# Altium PCB RYA_KiteUp.PcbDoc (part 2 of 3)
Units mil, origin at the board's own origin, x right, y up, seen from the top; angles counter-clockwise.
Board outline 3989.4 x 6289.4 mil, 2 copper layers (Top Layer, Bottom Layer); 144 components, 104 nets, 490 pads, 1685 vias.
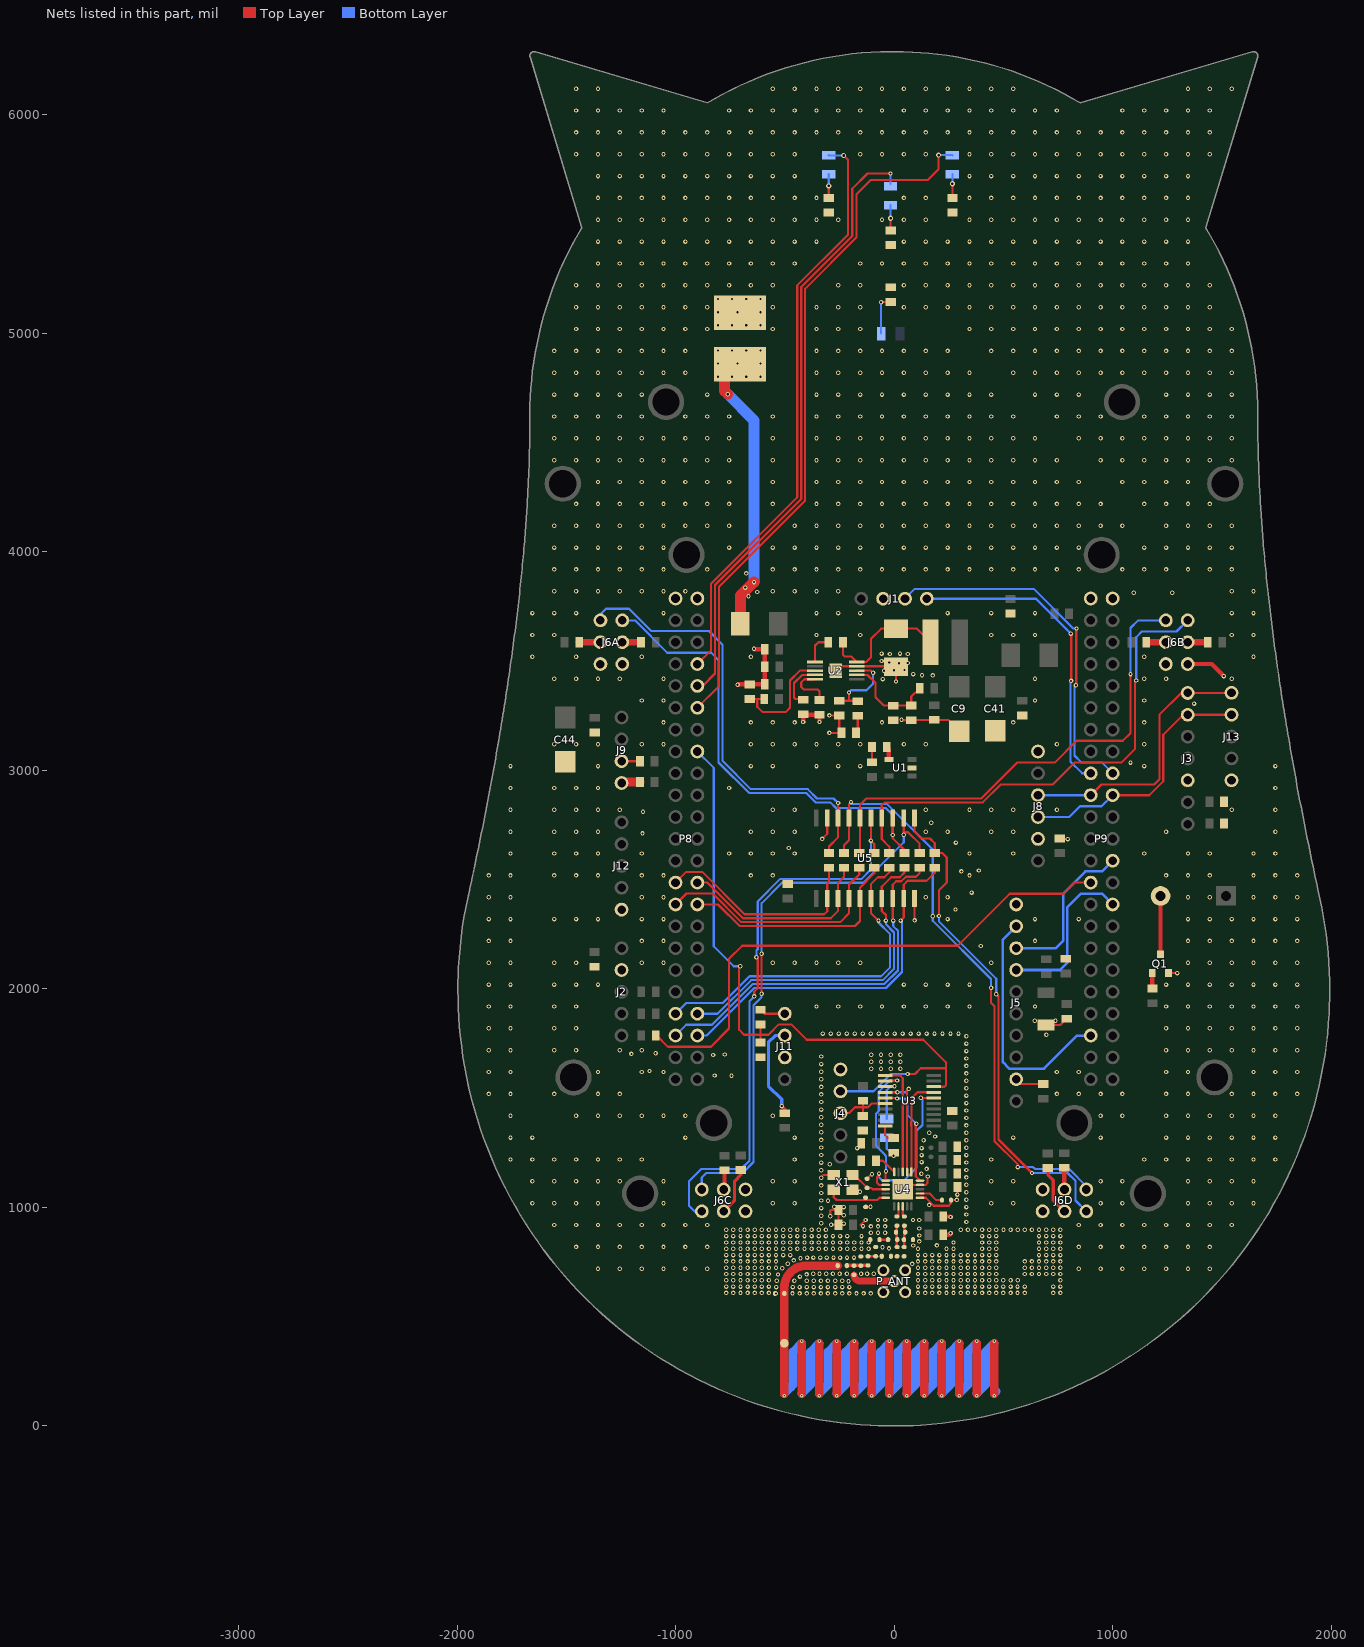
[diagram p2: the nets of this part, all layers, seen from the top]

## Via types
v1: diameter 20, hole 10, Top Layer to Bottom Layer, tented both sides, 1654 vias
v2: diameter 16, hole 8, Top Layer to Bottom Layer, tented both sides, 26 vias
v3: diameter 23.62, hole 11.81, Top Layer to Bottom Layer, tented both sides, 5 vias

## Nets (pads, with @x,y where several pads share a name; then routed paths per layer and width w, separated by ;. In a path a pad name is that pad's centre, name@x,y a point inside that pad or via, vN(x,y) a via of type N, cw(c..) or ccw(c..) an arc to the next point about the centre after c; other vN are vias at no path point) (continued)
CS: U3.6 U4.7 | length 700.1
  Top Layer w10: v1(-69,1154) -69,1145 -78,1136 -78,1112 -68.63,1102.63 U4.7@-38.84,1102.63 ; v1(122,1501) 130,1501 130.22,1500.78 U3.6@181.1,1500.78
  Bottom Layer w10: v1(-69,1154) -69,1138 -54.94,1123.94 45.94,1123.94 103,1181 103,1197.32 102.9,1197.42 102.9,1216.47 103,1216.57 103,1261.32 102.9,1261.42 102.9,1280.47 103,1280.57 103,1350 130,1377 130,1493 v1(122,1501)
FB: C42.2 R13.2 R18.1 U2.7 | length 442
  Top Layer w10: U2.7@-170.62,3436.26 -121.41,3436.26 -85,3399.85 -85,3334 -46.94,3295.94 R18.1@78.9,3295.94 78.9,3337.87 R13.2@116.98,3375.94
GDO0: U3.12 U4.6 | length 593.2
  Top Layer w10: U3.12@-40.9,1577.55 13.45,1577.55 v1@14,1577 ; U4.6@-38.84,1122.31 -38.84,1163.16 v1(-37,1165)
  Bottom Layer w10: v1(-37,1165) -37,1234 -40,1237 -39,1238 -83,1282 -83,1428 -70,1441 -70,1529.44 -19.44,1580 v1(14,1580)
GDO2: U3.11 U4.3 | length 515.2
  Top Layer w10: U3.11@-40.9,1603.14 27.86,1603.14 39.9,1591.1 U4.3@39.9,1161.68
GND: C1.1 C2.1 C3.1 C4.1 C5.2 C6.2 C7.1 C9.2 C10.1 C11.1 C12.1 C13.1 C14.1 C15.1 C16.1 C17.1 C18.1 C19.2 C20.2 C21.1 C22.1 C23.1 C24.1 C27.1 C28.1 C29.2 C30.1 C31.1 C32.1 C33.1 C34.1 C35.1 C37.1 C38.1 C40.1 C41.2 C42.1 C43.1 C44.2 CF1.1 CF45.1 D1.1 D2.1 J1.3 J2.4 J3.5 J4.5 J5.2 J5.10 J6A.5 J6A.6 J6B.5 J6B.6 J6C.5 J6C.6 J6D.5 J6D.6 J8.2 J8.6 J10.2 J11.2 J12.5 J13.5 L7.2 P8.1 P8.2 P9.1 P9.2 P_ANT.2 P_ANT.3 P_ANT.4 P_ANT.5 Q1.2 R4.1 R5.1 R7.1 R11.2 R16.2 R17.2 R18.2 R19.2 R30.1 R31.1 R51.1 U1.2 U2.9 U2.11 U3.20 U4.16 U4.19 U4.21 U5.10 U5.19 X1.2 X1.4 | length 2984
  Top Layer w10: v1(-329,2686) -306,2709 U5.19@-306,2782.5 ; -324.17,1147.87 X1.4@-276.1,1147.87 ; v1(-296.1,3170.94) C18.1@-241.1,3170.94 -251.1,3180.94 C16.1@-251.1,3250.94 v1(-296.1,3250.94) ; v1(-292.1,958.94) -292.1,983.94 -288.06,987.98 C31.1@-254.43,987.98 C32.1@-254.43,919.91 v1(-288.1,919.94) ; U2.11@-266.1,3455.94 -246.41,3475.63 U2.9@-170.62,3475.63 7.21,3475.63 D2.1@8.9,3473.94 v1(8.9,3405.94) ; X1.2@-189.48,1080.94 -166.1,1080.94 v1(-156.1,1070.94) ; -152.1,919.94 v1(-130.1,941.94) ; C37.1@-130.1,1001.94 -109.1,1001.94 v1(-108.1,1002.94) ; C38.1@-123.1,1130.94 -103.1,1150.94 v1(-101.1,1150.94) ; C11.1@-104.96,3102 C11.1@-100.9,3106.06 C12.1@-100.9,3036.06 ; v1@-54.1,817.94 v1(-53.1,816.94) ; U3.20@-40.9,1372.83 -40.9,1329.9 -28,1317 R31.1@-2,1317 ; v1(33.9,3230.94) 35.83,3229.02 R18.2@78.9,3229.02 80.48,3230.59 CF1.1@183.9,3230.59 247.88,3230.59 C9.2@298.9,3179.57 ; U4.21@39.9,1082.94 59.59,1102.63 U4.19@118.64,1102.63 144.59,1102.63 152.9,1110.94 152.9,1139.94 v1(153.9,1140.94) ; v1(94,2313) U5.10@94,2413.5 ; U4.16@118.64,1043.57 145.27,1043.57 181.9,1006.94 249.9,1006.94 260.9,1017.94 R30.1@260.9,1032.94 285.9,1032.94 v1(286.9,1033.94) ; v1(187.9,1323.94) v1@188.97,1325.01 ; v1(289.9,1057.94) C35.1@289.9,1092.94 ; J5.2@559,1586 581.07,1563.93 C5.2@682,1563.93 ; D1.1@691.79,1831.02 D1.1@694.9,1834.13 761.09,1834.13 C7.1@789.9,1862.94 ; C6.2@757.9,2687.87 760.78,2685 v1(795,2685) ; Q1.2@1256.4,2071.69 v1(1295.69,2071.69)
  Top Layer w20: v1(-716.1,3390.94) -714.17,3392.87 R16.2@-661.1,3392.87 -592.57,3392.87 C13.1@-592.29,3393.15 C14.1@-592.29,3473.19 C15.1@-592.29,3553.23 -638.38,3553.23 v1(-641.1,3555.94) ; v1(-416.1,3220.94) C17.1@-416.1,3255.94 -414.52,3254.37 R17.2@-341.1,3254.37 v1(-341.1,3220.94) ; C34.1@224.9,874.91 252.87,874.91 v1(258.9,880.94) ; C33.1@224.9,957.98 256.86,957.98 v1(258.9,955.94) ; J6B.6@1343.73,3485.93 1453.92,3485.93 v1(1508.9,3430.94)
  other v1: -540.1,605.83 -465,606 -432.43,606 -399.86,606 -367.29,606 -334.71,606 -302.8,606 -269.57,606 -237,606 -204.43,606 -171.86,606 -139.28,606 -106.71,606 -768.1,608.18 -735.52,608.18 -702.95,608.18 -670.38,608.18 -637.81,608.18 -605.9,608.18 -572.67,608.18 109.71,608.18 142.28,608.18 174.85,608.18 207.43,608.18 240,608.18 271.91,608.18 305.14,608.18 337.71,608.18 370.28,608.18 402.85,608.18 435.43,608.18 468,608.18 499.91,608.18 533.14,608.18 565.05,608.18 598.28,608.18 728.57,608.18 761.14,608.18 -539.1,634.71 -464,634.71 -432.43,634.88 -399.86,634.88 -367.29,634.88 -334.71,634.88 -302.8,634.88 -269.57,634.88 -237,634.88 -204.43,634.88 -768.1,637.06 -735.52,637.06 -702.95,637.06 -670.38,637.06 -637.81,637.06 -605.9,637.06 -572.67,637.06 109.71,637.06 142.28,637.06 174.85,637.06 207.43,637.06 240,637.06 271.91,637.06 305.14,637.06 337.71,637.06 370.28,637.06 402.85,637.06 435.43,637.06 468,637.06 499.91,637.06 533.14,637.06 565.05,637.06 598.28,637.06 728.57,637.06 761.14,637.06 -208.43,661.76 -537.1,663.59 -456,663.59 -399.86,663.76 -367.29,663.76 -334.71,663.76 -302.8,663.76 -269.57,663.76 -237,663.76 -768.1,665.94 -735.52,665.94 -702.95,665.94 -670.38,665.94 -637.81,665.94 -605.9,665.94 -572.67,665.94 109.71,665.94 142.28,665.94 174.85,665.94 207.43,665.94 240,665.94 271.91,665.94 305.14,665.94 337.71,665.94 370.28,665.94 402.85,665.94 435.43,665.94 468,665.94 499.91,665.94 533.14,665.94 566.37,665.94 761.14,665.94 -431,683 -531.1,692.47 -400,693 -768.1,694.83 -735.52,694.83 -702.95,694.83 -670.38,694.83 -637.81,694.83 -605.9,694.83 -572.67,694.83 109.71,694.83 142.28,694.83 174.85,694.83 207.43,694.83 240,694.83 271.91,694.83 305.14,694.83 337.71,694.83 370.28,694.83 402.85,694.83 435.43,694.83 468,694.83 597.63,694.83 630.85,694.83 663.42,694.83 696,694.83 728.57,694.83 761.14,694.83 -370,696 -341,696 -310,696 -280,696 -249,696 -216,696 -150.86,696 -123.28,696 -92.71,696 -1355,719 -1255,719 -1155,719 -1055,719 -955,719 -855,719 845,719 945,719 1045,719 1145,719 1245,719 1345,719 1445,719 -512.1,720.94 -768.1,723.71 -735.52,723.71 -702.95,723.71 -670.38,723.71 -637.81,723.71 -605.9,723.71 -572.67,723.71 -540.1,723.71 109.71,723.71 142.28,723.71 174.85,723.71 207.43,723.71 240,723.71 271.91,723.71 305.14,723.71 337.71,723.71 370.28,723.71 402.85,723.71 435.43,723.71 468,723.71 597.63,723.71 630.85,723.71 663.42,723.71 696,723.71 728.57,723.71 761.14,723.71 82.9,740.94 -486.1,741.94 -768.1,752.59 -735.52,752.59 -702.95,752.59 -670.38,752.59 -637.81,752.59 -605.9,752.59 -572.67,752.59 -540.1,752.59 109.71,752.59 142.28,752.59 174.85,752.59 207.43,752.59 240,752.59 271.91,752.59 305.14,752.59 337.71,752.59 370.28,752.59 402.85,752.59 435.43,752.59 468,752.59 597.63,752.59 630.85,752.59 663.42,752.59 696,752.59 728.57,752.59 761.14,752.59 -459.1,756.94 -428.1,766.94 -398.1,769.94 -369.1,769.94 -338.1,769.94 -308.1,769.94 -277.1,769.94 -247.1,769.94 -215.1,769.94 -183.1,769.94 -768.1,781.47 -735.52,781.47 -702.95,781.47 -670.38,781.47 -637.81,781.47 -605.9,781.47 -572.67,781.47 -540.1,781.47 -507.53,781.47 -474.95,781.47 109.71,781.47 142.28,781.47 174.85,781.47 207.43,781.47 240,781.47 271.91,781.47 305.14,781.47 337.71,781.47 370.28,781.47 402.85,781.47 435.43,781.47 468,781.47 663.42,781.47 696,781.47 728.57,781.47 761.14,781.47 -768.1,810.35 -735.52,810.35 -702.95,810.35 -670.38,810.35 -637.81,810.35 -605.9,810.35 -572.67,810.35 -540.1,810.35 -507.53,810.35 -474.95,810.35 -442.38,810.35 -409.81,810.35 -377.24,810.35 -344.67,810.35 -312.1,810.35 -279.53,810.35 -246.95,810.35 -214.38,810.35 -181.81,810.35 -149.24,810.35 -116.67,810.35 109.71,810.35 240,810.35 271.91,810.35 402.85,810.35 435.43,810.35 468,810.35 663.42,810.35 696,810.35 728.57,810.35 761.14,810.35 -23.1,811.94 -1455,819 -1355,819 -1255,819 -1155,819 -1055,819 -955,819 -855,819 845,819 945,819 1045,819 1145,819 1245,819 1345,819 1445,819 88,825 195.9,825.94 -768.1,839.24 -735.52,839.24 -702.95,839.24 -670.38,839.24 -637.81,839.24 -605.9,839.24 -572.67,839.24 -540.1,839.24 -507.53,839.24 -474.95,839.24 -442.38,839.24 -409.81,839.24 -377.24,839.24 -344.67,839.24 -312.1,839.24 -279.53,839.24 -246.95,839.24 -214.38,839.24 -181.81,839.24 -149.24,839.24 -116.67,839.24 271.91,839.24 402.85,839.24 435.43,839.24 468,839.24 663.42,839.24 696,839.24 728.57,839.24 761.14,839.24 114.9,843.94 -768.1,868.12 -735.52,868.12 -702.95,868.12 -670.38,868.12 -637.81,868.12 -605.9,868.12 -572.67,868.12 -540.1,868.12 -507.53,868.12 -474.95,868.12 -442.38,868.12 -409.81,868.12 -377.24,868.12 -344.67,868.12 -312.1,868.12 -279.53,868.12 -246.95,868.12 -214.38,868.12 -149.24,868.12 402.85,868.12 435.43,868.12 468,868.12 663.42,868.12 696,868.12 728.57,868.12 761.14,868.12 115.9,870.94 -106,884 -73.43,884 -40.86,884 -768.1,897 -735.52,897 -702.95,897 -670.38,897 -637.81,897 -605.24,897 -572.67,897 -540.1,897 -507.53,897 -474.95,897 -442.38,897 -409.81,897 -377.24,897 -344.67,897 -312.1,897 305.14,897 337.71,897 370.28,897 402.85,897 435.43,897 468,897 500.57,897 533.14,897 565.71,897 597.63,897 630.85,897 663.42,897 696,897 728.57,897 761.14,897 114.9,902.94 -106,912.88 -73.43,912.88 -40.86,912.88 -142.1,913.94 -1555,919 -1455,919 -1355,919 -1255,919 -1155,919 -1055,919 -955,919 -855,919 845,919 945,919 1045,919 1145,919 1245,919 1345,919 1445,919 1545,919 -230.1,925.61 -333.1,926.94 330.9,932.94 -73.43,941.76 -40.86,941.76 86.9,941.94 114.9,941.94 -333.1,961.63 -230.1,963.28 330.9,966.94 -333.1,996.31 -230.1,1000.94 330.9,1000.94 -274.1,1002.94 160.9,1010.94 -1655,1019 -1555,1019 -1455,1019 -1355,1019 -1055,1019 -555,1019 -455,1019 445,1019 545,1019 945,1019 1045,1019 1345,1019 1445,1019 1545,1019 1645,1019 -302.1,1029.94 -333.1,1030.99 330.9,1034.94 -333.1,1065.67 330.9,1068.94 -333.1,1100.35 330.9,1102.94 -1655,1119 -1555,1119 -1455,1119 -1355,1119 -1255,1119 -1055,1119 -555,1119 -455,1119 445,1119 545,1119 945,1119 1045,1119 1345,1119 1445,1119 1545,1119 1645,1119 -333.1,1135.04 330.9,1136.94 124.9,1153.94 -333.1,1169.72 330.9,1170.94 148.9,1175.94 -294.1,1196.94 -333.1,1204.4 330.9,1204.94 125.9,1206.94 -1755,1219 -1655,1219 -1555,1219 -1455,1219 -1355,1219 -1255,1219 -1155,1219 -455,1219 445,1219 1145,1219 1245,1219 1345,1219 1445,1219 1545,1219 1645,1219 1745,1219 -333.1,1239.08 126,1239 330.9,1238.94 -169.1,1270.94 125.9,1270.94 330.9,1272.94 -333.1,1273.76 135,1307 330.9,1306.94 -333.1,1308.44 -1755,1319 -1655,1319 -955,1319 -455,1319 545,1319 945,1319 1245,1319 1345,1319 1445,1319 1545,1319 1645,1319 1745,1319 160.9,1340.94 330.9,1340.94 -333.1,1343.13 330.9,1374.94 -333.1,1377.81 330.9,1408.94 -333.1,1412.49 -1755,1419 -1455,1419 -1355,1419 -1255,1419 -1155,1419 -1055,1419 -955,1419 -555,1419 945,1419 1045,1419 1245,1419 1345,1419 1445,1419 1545,1419 1645,1419 1745,1419 330.9,1442.94 -333.1,1447.17 330.9,1476.94 -333.1,1481.85 330.9,1510.94 -333.1,1516.53 -1855,1519 -1755,1519 -1555,1519 -1355,1519 -1255,1519 745,1519 845,1519 945,1519 1045,1519 1245,1519 1345,1519 1545,1519 1645,1519 1745,1519 1845,1519 330.9,1544.94 -333.1,1551.22 330.9,1578.94 -333.1,1585.9 -744,1602 -821,1603 330.9,1612.94 -1855,1619 -1755,1619 -1355,1619 -1155,1619 -1055,1619 745,1619 845,1619 1245,1619 1345,1619 1645,1619 1745,1619 1845,1619 -333.1,1620.58 -1119,1624 -104.1,1633.94 -59.76,1633.94 -15.43,1633.94 28.9,1633.94 330.9,1646.94 -333.1,1655.26 -104.1,1665.94 -59.76,1665.94 -15.43,1665.94 28.9,1665.94 330.9,1680.94 -333.1,1689.94 -828,1697 -104.1,1697.94 -59.76,1697.94 -15.43,1697.94 28.9,1697.94 -775,1699 -1202,1702 -1091,1705 330.9,1714.94 -1855,1719 -1755,1719 -1555,1719 -1455,1719 -1255,1719 -1155,1719 1245,1719 1345,1719 1445,1719 1545,1719 1645,1719 1745,1719 1845,1719 330.9,1748.94 330.9,1782.94 697,1790 -326.1,1794.94 -289.57,1794.94 -253.04,1794.94 -216.51,1794.94 -179.98,1794.94 -143.45,1794.94 -106.92,1794.94 -70.39,1794.94 -33.86,1794.94 2.67,1794.94 39.2,1794.94 75.73,1794.94 112.26,1794.94 148.79,1794.94 185.32,1794.94 221.85,1794.94 258.37,1794.94 294.9,1794.94 -1855,1819 -1755,1819 -1555,1819 -1455,1819 1245,1819 1345,1819 1445,1819 1545,1819 1645,1819 1745,1819 1845,1819 644,1854 739,1854 -1855,1919 -1755,1919 -1555,1919 -1455,1919 -355,1919 -255,1919 -155,1919 -55,1919 45,1919 145,1919 245,1919 345,1919 645,1919 1245,1919 1345,1919 1445,1919 1545,1919 1645,1919 1745,1919 1845,1919 -1855,2019 -1755,2019 -1555,2019 -1455,2019 -1355,2019 45,2019 145,2019 245,2019 345,2019 1245,2019 1345,2019 1445,2019 1545,2019 1645,2019 1745,2019 1845,2019 -1855,2119 -1755,2119 -1555,2119 -1455,2119 -1155,2119 -1055,2119 -555,2119 -455,2119 -355,2119 -255,2119 -155,2119 445,2119 1345,2119 1445,2119 1545,2119 1645,2119 1745,2119 1845,2119 397,2196 -1855,2219 -1755,2219 -1155,2219 -1055,2219 645,2219 1345,2219 1445,2219 1545,2219 1645,2219 1745,2219 1845,2219 -1855,2319 -1755,2319 -1555,2319 -1455,2319 -1355,2319 -1155,2319 -1055,2319 245,2319 645,2319 845,2319 1345,2319 1445,2319 1545,2319 1645,2319 1745,2319 1845,2319 281,2363 -1855,2419 -1755,2419 -1155,2419 -1055,2419 145,2419 245,2419 1345,2419 1445,2419 1645,2419 1745,2419 1845,2419 355,2440 -1855,2519 -1755,2519 -1555,2519 -1455,2519 -1355,2519 -1155,2519 -1055,2519 -655,2519 -555,2519 345,2519 1245,2519 1345,2519 1445,2519 1645,2519 1745,2519 1845,2519 308,2537 388,2541 -1755,2619 -1555,2619 -1455,2619 -1355,2619 -1155,2619 -755,2619 -655,2619 -555,2619 -455,2619 345,2619 545,2619 1145,2619 1345,2619 1445,2619 1645,2619 1745,2619 -482,2644 283,2669 -1151,2711 -1755,2719 -1555,2719 -1455,2719 -1355,2719 -655,2719 -555,2719 -455,2719 145,2719 245,2719 445,2719 545,2719 1245,2719 1745,2719 170,2760 -1149,2810 -1755,2819 -1555,2819 -1455,2819 -1355,2819 -1255,2819 -555,2819 -455,2819 145,2819 345,2819 445,2819 545,2819 745,2819 1545,2819 1745,2819 -1755,2919 -1555,2919 -1455,2919 -1355,2919 -755,2919 1745,2919 -1755,3019 -1355,3019 -655,3019 -555,3019 -355,3019 -255,3019 -155,3019 1145,3019 1745,3019 1081.9,3034.94 -1555,3119 -1455,3119 -1355,3119 -1155,3119 -1055,3119 -655,3119 -555,3119 -455,3119 -355,3119 -255,3119 -155,3119 45,3119 145,3119 745,3119 1145,3119 -1055,3219 -655,3219 -555,3219 -455,3219 -55,3219 545,3219 1145,3219 1372.9,3304.94 -1155,3319 -1055,3319 645,3319 1145,3319 -52.1,3416.94 -1555,3419 -1455,3419 -1355,3419 -1255,3419 -1055,3419 645,3419 1145,3419 1245,3419 1545,3419 176.9,3433.94 127.9,3434.94 87.9,3439.94 -46.1,3454.94 -0.1,3457.94 47.9,3458.94 22.9,3489.94 62.9,3490.94 -22.04,3493.38 -57.1,3499.94 -1655,3519 -1455,3519 -1155,3519 -655,3519 1145,3519 1645,3519 -19.1,3531.94 62.9,3531.94 -57.1,3533.94 26.9,3533.94 -1655,3619 -1555,3619 -355,3619 -155,3619 445,3619 545,3619 645,3619 1545,3619 1645,3619 -1655,3719 -1555,3719 -1455,3719 -1055,3719 -355,3719 -255,3719 -155,3719 245,3719 445,3719 645,3719 1545,3719 1645,3719 1096.9,3811.94 1272.9,3811.94 -1555,3819 -1455,3819 -1355,3819 -1255,3819 -1155,3819 -1055,3819 -955,3819 -555,3819 -455,3819 -355,3819 -255,3819 1545,3819 1645,3819 -1555,3919 -1455,3919 -1355,3919 -1255,3919 -1155,3919 -1055,3919 -855,3919 -555,3919 -455,3919 -355,3919 -255,3919 -155,3919 -55,3919 45,3919 145,3919 245,3919 345,3919 445,3919 545,3919 645,3919 745,3919 845,3919 1045,3919 1145,3919 1245,3919 1345,3919 1445,3919 1545,3919 -1555,4019 -1455,4019 -1355,4019 -1255,4019 -1155,4019 -1055,4019 -755,4019 -555,4019 -455,4019 -355,4019 -255,4019 -155,4019 -55,4019 45,4019 145,4019 245,4019 345,4019 445,4019 545,4019 645,4019 745,4019 845,4019 1145,4019 1245,4019 1345,4019 1445,4019 1545,4019 -1555,4119 -1455,4119 -1355,4119 -1255,4119 -1155,4119 -1055,4119 -955,4119 -855,4119 -755,4119 -455,4119 -355,4119 -255,4119 -155,4119 -55,4119 45,4119 145,4119 245,4119 345,4119 445,4119 545,4119 645,4119 745,4119 845,4119 945,4119 1045,4119 1245,4119 1345,4119 1445,4119 1545,4119 -1455,4219 -1355,4219 -1255,4219 -1155,4219 -1055,4219 -955,4219 -855,4219 -755,4219 -555,4219 -355,4219 -255,4219 -155,4219 -55,4219 45,4219 145,4219 245,4219 345,4219 445,4219 545,4219 645,4219 745,4219 845,4219 945,4219 1145,4219 1245,4219 1345,4219 1445,4219 -1355,4319 -1255,4319 -1155,4319 -1055,4319 -955,4319 -855,4319 -755,4319 -555,4319 -355,4319 -255,4319 -155,4319 -55,4319 45,4319 145,4319 245,4319 345,4319 445,4319 545,4319 645,4319 745,4319 845,4319 1045,4319 1145,4319 1245,4319 1345,4319 -1555,4419 -1455,4419 -1355,4419 -1255,4419 -1155,4419 -1055,4419 -955,4419 -855,4419 -755,4419 -555,4419 -355,4419 -255,4419 -155,4419 -55,4419 45,4419 145,4419 245,4419 345,4419 445,4419 545,4419 645,4419 745,4419 945,4419 1045,4419 1145,4419 1245,4419 1345,4419 1445,4419 1545,4419 -1555,4519 -1455,4519 -1355,4519 -1255,4519 -1155,4519 -1055,4519 -955,4519 -855,4519 -755,4519 -555,4519 -355,4519 -255,4519 -155,4519 -55,4519 45,4519 145,4519 245,4519 345,4519 445,4519 545,4519 645,4519 845,4519 945,4519 1045,4519 1145,4519 1245,4519 1345,4519 1445,4519 1545,4519 -1555,4619 -1455,4619 -1355,4619 -1255,4619 -1155,4619 -955,4619 -855,4619 -755,4619 -555,4619 -355,4619 -255,4619 -155,4619 -55,4619 45,4619 145,4619 245,4619 345,4619 445,4619 545,4619 745,4619 845,4619 945,4619 1145,4619 1245,4619 1345,4619 1445,4619 1545,4619 -1555,4719 -1455,4719 -1355,4719 -1255,4719 -1155,4719 -855,4719 -355,4719 -255,4719 -155,4719 -55,4719 45,4719 145,4719 245,4719 345,4719 445,4719 645,4719 745,4719 845,4719 1245,4719 1345,4719 1445,4719 1545,4719 -1555,4819 -1455,4819 -1355,4819 -1255,4819 -1155,4819 -1055,4819 -955,4819 -355,4819 -255,4819 -155,4819 -55,4819 45,4819 145,4819 245,4819 345,4819 545,4819 645,4819 745,4819 845,4819 945,4819 1045,4819 1145,4819 1245,4819 1345,4819 1445,4819 1545,4819 -1555,4919 -1455,4919 -1355,4919 -1255,4919 -1155,4919 -1055,4919 -955,4919 -355,4919 -255,4919 -155,4919 -55,4919 45,4919 145,4919 245,4919 445,4919 545,4919 645,4919 745,4919 845,4919 945,4919 1045,4919 1145,4919 1245,4919 1345,4919 1445,4919 1545,4919 -1455,5019 -1355,5019 -1255,5019 -1155,5019 -1055,5019 -955,5019 -855,5019 -555,5019 -355,5019 -255,5019 -155,5019 345,5019 445,5019 545,5019 645,5019 745,5019 845,5019 945,5019 1045,5019 1145,5019 1245,5019 1345,5019 1445,5019 1545,5019 -806.1,5035.94 -741.1,5035.94 -676.1,5035.94 -611.1,5035.94 -806.1,5095.94 -716.1,5095.94 -611.1,5095.94 -1455,5119 -1355,5119 -1255,5119 -1155,5119 -1055,5119 -955,5119 -855,5119 -555,5119 -355,5119 -255,5119 -155,5119 45,5119 145,5119 245,5119 345,5119 445,5119 545,5119 645,5119 745,5119 845,5119 945,5119 1045,5119 1145,5119 1245,5119 1345,5119 1445,5119 -806.1,5155.94 -741.1,5155.94 -676.1,5155.94 -611.1,5155.94 -1455,5219 -1355,5219 -1255,5219 -1155,5219 -1055,5219 -955,5219 -855,5219 -755,5219 -655,5219 -555,5219 -255,5219 -155,5219 45,5219 145,5219 245,5219 345,5219 445,5219 545,5219 645,5219 745,5219 845,5219 945,5219 1045,5219 1145,5219 1245,5219 1345,5219 1445,5219 -1355,5319 -1255,5319 -1155,5319 -1055,5319 -955,5319 -855,5319 -755,5319 -655,5319 -555,5319 -455,5319 -155,5319 -55,5319 45,5319 145,5319 245,5319 345,5319 445,5319 545,5319 645,5319 745,5319 845,5319 945,5319 1045,5319 1145,5319 1245,5319 1345,5319 -1355,5419 -1255,5419 -1155,5419 -1055,5419 -955,5419 -855,5419 -755,5419 -655,5419 -555,5419 -455,5419 -355,5419 45,5419 145,5419 245,5419 345,5419 445,5419 545,5419 645,5419 745,5419 845,5419 945,5419 1045,5419 1145,5419 1245,5419 1345,5419 -1355,5519 -1255,5519 -1155,5519 -1055,5519 -955,5519 -855,5519 -755,5519 -655,5519 -555,5519 -455,5519 -355,5519 -255,5519 -55,5519 45,5519 145,5519 345,5519 445,5519 545,5519 645,5519 745,5519 845,5519 945,5519 1045,5519 1145,5519 1245,5519 1345,5519 -1355,5619 -1255,5619 -1155,5619 -1055,5619 -955,5619 -855,5619 -755,5619 -655,5619 -555,5619 -455,5619 -355,5619 45,5619 145,5619 345,5619 445,5619 545,5619 645,5619 745,5619 845,5619 945,5619 1045,5619 1145,5619 1245,5619 1345,5619 -1355,5719 -1255,5719 -1155,5719 -1055,5719 -955,5719 -855,5719 -755,5719 -655,5719 -555,5719 -455,5719 345,5719 445,5719 545,5719 645,5719 745,5719 845,5719 945,5719 1045,5719 1145,5719 1245,5719 1345,5719 -1455,5819 -1355,5819 -1255,5819 -1155,5819 -1055,5819 -955,5819 -855,5819 -755,5819 -655,5819 -555,5819 -455,5819 -155,5819 -55,5819 45,5819 145,5819 345,5819 445,5819 545,5819 645,5819 745,5819 845,5819 945,5819 1045,5819 1145,5819 1245,5819 1345,5819 1445,5819 -1455,5919 -1355,5919 -1255,5919 -1155,5919 -1055,5919 -955,5919 -855,5919 -755,5919 -655,5919 -555,5919 -455,5919 -355,5919 -255,5919 -155,5919 -55,5919 45,5919 145,5919 245,5919 345,5919 445,5919 545,5919 645,5919 745,5919 845,5919 945,5919 1045,5919 1145,5919 1245,5919 1345,5919 1445,5919 -1455,6019 -1355,6019 -1255,6019 -1155,6019 -1055,6019 -755,6019 -655,6019 -555,6019 -455,6019 -355,6019 -255,6019 -155,6019 -55,6019 45,6019 145,6019 245,6019 345,6019 445,6019 545,6019 645,6019 745,6019 1045,6019 1145,6019 1245,6019 1345,6019 1445,6019 -1455,6119 -1355,6119 -555,6119 -455,6119 -355,6119 -255,6119 -155,6119 -55,6119 45,6119 145,6119 245,6119 345,6119 445,6119 545,6119 1345,6119 1445,6119 1545,6119
I2C1_SCL: J1.2 P9.17 | length 1672.3
  Top Layer w10: v1(832,3389) 833.53,3390.53 833.53,3647.57 v1(834.9,3648.94)
  Bottom Layer w10: J1.2@49.9,3784.94 94.9,3829.94 639.28,3829.94 820.28,3648.94 v1(834.9,3648.94) ; v1(832,3389) 825.62,3382.62 825.62,3067.23 856.9,3035.94 950.02,3035.94 P9.17@1000.03,2985.93
I2C1_SDA: J1.1 P9.18 | length 1431.2
  Top Layer w10: v1(808.72,3625.43) 814.9,3619.24 811,3615.33 v1@811,3409
  Bottom Layer w10: J1.1@149.9,3784.94 649.2,3784.94 v1(808.72,3625.43) ; v1@811,3409 807.62,3405.62 807.62,3039.23 860.92,2985.93 P9.18@900.03,2985.93
  other v1: 810,3409
I2C2_SCL: J3.2 J8.3 J13.2 P9.19 | length 1195.4
  Top Layer w10: P9.19@1000.03,2885.93 1167.93,2885.93 1232,2950 1232,3163 1322.78,3253.78 J3.2@1343.82,3253.78 J13.2@1532.72,3253.78
  Bottom Layer w10: J8.3@658.79,2785.93 801.89,2785.93 851.1,2835.14 949.24,2835.14 P9.19@1000.03,2885.93 P9.19@997.18,2885.93
I2C2_SDA: J3.1 J8.4 J13.1 P9.20 | length 1241.1
  Top Layer w10: P9.20@900.03,2885.93 949.24,2935.14 1191.14,2935.14 1214,2958 1214,3254 1313.78,3353.78 J3.1@1343.82,3353.78 J13.1@1532.72,3353.78
  Bottom Layer w10: J8.4@658.79,2885.93 P9.20@900.03,2885.93
LED_1: LED1.1 P8.7 | length 2689.2
  Top Layer w10: P8.7@-899.97,3485.93 -837.1,3548.8 -837.1,3854.82 -443,4248.91 -443,5218.92 -211.1,5450.82 -211.1,5793.1 v3(-231,5813)
  Bottom Layer w10: LED1.1@-299,5814.31 -297.69,5813 v3(-231,5813)
LED_2: LED2.1 P8.9 | length 2833.5
  Top Layer w10: P8.9@-899.97,3385.93 -875.99,3385.93 -819.1,3442.82 -819.1,3847.36 -425,4241.46 -425,5211.46 -191.28,5445.18 -191.28,5660.94 -121.28,5730.94 v1(-16.1,5730.94)
  Bottom Layer w10: LED2.1@-16.1,5684.25 v1(-16.1,5730.94)
LED_3: LED3.1 P8.11 | length 3202.2
  Top Layer w10: P8.11@-899.97,3285.93 -801.1,3384.8 -801.1,3839.9 -407,4234 -407,5204.01 -171.47,5439.53 -171.47,5635.94 -106.47,5700.94 153.9,5700.94 204,5751.04 v3(204,5815)
  Bottom Layer w10: v3(204,5815) 266.31,5815 LED3.1@267,5814.31
LED_MSP: LED4.1 U3.13 | length 220.7
  Top Layer w10: U3.13@-40.9,1551.96 2.96,1551.96 2,1552.92 v1(2,1554)
  Bottom Layer w10: LED4.1@-33.51,1404.31 -33.51,1535.49 -15,1554 v1(2,1554)
MPU9250_INT: J5.8 P9.25 | length 732.6
  Bottom Layer w11.81: J5.8@559,2186 740,2186 773.57,2219.57 773.57,2434.57 876,2537 951.1,2537 P9.25@1000.03,2585.93
NetC8_1: C8.1 U2.1 | length 142
  Top Layer w10: U2.1@-361.57,3495.31 -361.57,3570.47 -346.1,3585.94 C8.1@-301.1,3585.94
NetC8_2: C8.2 D2.2 L1.1 U2.10 | length 610.7
  Top Layer w10: C8.2@-234.17,3585.94 -234.17,3529.02 -226.1,3520.94 -196.13,3520.94 U2.10@-170.62,3495.44 ; U2.10@-170.62,3495.31 -126.73,3495.31 -106.1,3515.94 -106.1,3600.94 -59.09,3647.95 D2.2@8.9,3647.95 104.97,3647.95 L1.1@166.98,3585.94
NetC11_2: C11.2 U1.4 | length 61.7
  Top Layer w19.68: C11.2@-33.98,3106.06 -24.05,3096.13 U1.4@-24.05,3048.46
NetC16_2: C16.2 R15.1 U2.8 | length 379
  Top Layer w10: C16.2@-251.1,3317.87 -206.1,3317.87 ; v1(-206.1,3355.94) -206.1,3317.87 ; U2.8@-170.62,3455.94 -106.1,3455.94 v1(-96.05,3445.99) v1(-96.05,3445.99) ; R15.1@-166.1,3316.3 -167.67,3317.87 -206.1,3317.87
  Bottom Layer w10: v1(-206.1,3355.94) -196.1,3365.94 -126.1,3365.94 -96.05,3395.99 v1(-96.05,3445.99)
NetC17_2: C17.2 U2.4 | length 224.2
  Top Layer w10: C17.2@-416.1,3322.87 -419.17,3325.94 -451.1,3325.94 -458.1,3332.94 -458.1,3398.94 -420.78,3436.26 U2.4@-361.57,3436.26
NetC18_2: C18.2 R15.2 | length 81.8
  Top Layer w10: C18.2@-174.17,3170.94 -166.1,3179.02 R15.2@-166.1,3249.37
NetC24_2: C24.2 L3.1 | length 40
  Top Layer w10: C24.2@-67.1,851.94 L3.1@-27.1,851.94
NetC25_1: C25.1 C45.1 L3.2 L8.1 | length 97.2
  Top Layer w11: C25.1@13,818.85 L8.1@13,916
NetC25_2: C25.2 L4.2 L6.1
NetC26_2: C26.2 P_ANT.1 | length 200.6
  Top Layer w32: C26.2@-183.1,690.94 ccw(c-154.1,690.94) -154.1,661.94 P_ANT.1@0.9,661.94
NetC27_2: C27.2 L4.1 L5.2 | length 35
  Top Layer w11: L5.2@-119.1,775.94 C27.2@-84.1,775.94
NetC29_1: C29.1 C45.2 L6.2 L9.1 | length 97
  Top Layer w11: L6.2@47,819.04 L9.1@47,916
NetC37_2: C37.2 U4.10 X1.1 | length 281.9
  Top Layer w10: X1.1@-276.1,1080.94 -276.1,1045.94 -263.28,1033.13 -76.82,1033.13 -66.38,1043.57 U4.10@-38.84,1043.57
NetC38_2: C38.2 U4.8 X1.3 | length 177.5
  Top Layer w10: X1.3@-189.48,1147.87 -182.02,1147.87 C38.2@-123.1,1088.94 -104.1,1088.94 -98.1,1082.94 U4.8@-38.84,1082.94
NetC40_2: C40.2 U4.5 | length 104.9
  Top Layer w10: C40.2@-83.17,1212.94 -50.73,1212.94 U4.5@0.53,1161.68
NetD10_1: D10.1 J10.1 | length 1268.5
  Top Layer w50: J10.1@-776.1,4857.83 -776.1,4735.94 v1(-761.1,4720.94) ; D10.1@-703.1,3670.94 -703.1,3798.94 v1(-641.1,3860.94)
  Bottom Layer w50: v1(-761.1,4720.94) -641.1,4600.94 v1(-641.1,3860.94)
  other v1: -666.1,3795.94 -626.1,3815.94 -681.1,3835.94 -676.1,3900.94 -806.1,4800.94 -741.1,4800.94 -676.1,4800.94 -611.1,4800.94 -806.1,4860.94 -716.1,4860.94 -611.1,4860.94 -806.1,4920.94 -741.1,4920.94 -676.1,4920.94 -611.1,4920.94
NetJ6A_3: J6A.3 R20.1 | length 97.4
  Top Layer w31.5: R20.1@-1441.1,3585.94 J6A.3@-1343.67,3585.93
NetJ6A_4: J6A.4 R21.2 | length 85.7
  Top Layer w31.5: J6A.4@-1243.67,3585.93 R21.2@-1158.02,3585.94
NetJ6B_3: J6B.3 R22.1 | length 89.8
  Top Layer w30: R22.1@1153.9,3585.94 J6B.3@1243.73,3585.93
NetJ6B_4: J6B.4 R23.2 | length 91.4
  Top Layer w30: J6B.4@1343.73,3585.93 R23.2@1435.09,3585.93
NetJ6C_3: J6C.3 R24.1 | length 221.5
  Top Layer w15: J6C.3@-779.69,981.6 -730,1031.29 -730,1120 -701.1,1148.9 R24.1@-701.1,1170.59
NetJ6C_4: J6C.4 R25.2 | length 88.9
  Top Layer w19.68: J6C.4@-779.69,1081.6 -776.1,1085.2 R25.2@-776.1,1169.02
NetJ6D_3: J6D.3 R26.1 | length 99.7
  Top Layer w19.68: R26.1@778.9,1180.94 778.9,1082.45 J6D.3@779.76,1081.6
NetJ6D_4: J6D.4 R27.2 | length 229.2
  Top Layer w15: R27.2@703.9,1179.37 703.9,1149.1 729,1124 729,1032.35 J6D.4@779.76,981.6
NetJ9_3: J9.3 R8.2 | length 84.4
  Top Layer w10: J9.3@-1247.04,3041.51 -1246.47,3040.94 R8.2@-1162.83,3040.94
NetJ9_4: J9.4 R10.2 | length 86
  Top Layer w40: J9.4@-1247.04,2941.51 -1242.6,2945.94 R10.2@-1162.83,2945.94
NetJ11_3: J11.3 R50.1 | length 442.8
  Top Layer w15: v1(-514,1463) -500.04,1449.04 R50.1@-500.04,1430.93
  Bottom Layer w15: v1(-514,1463) -514,1494 -574.82,1554.82 -574.82,1755.18 -544.07,1785.93 J11.3@-499.97,1785.93
NetJ11_4: J11.4 R14.1 | length 118.4
  Top Layer w10: R14.1@-610.94,1903.9 -592.97,1885.93 J11.4@-499.97,1885.93
NetL8_2: L8.2 U4.12 | length 49.2
  Top Layer w10: L8.2@13,958 20.22,965.22 U4.12@20.22,1004.2
NetL9_2: L9.2 U4.13 | length 49.1
  Top Layer w10: U4.13@39.9,1004.2 39.9,965.1 L9.2@47,958
NetLED1_2: LED1.2 R4.2 | length 108.8
  Top Layer w10: R4.2@-299,5618.93 v3(-299,5674)
  Bottom Layer w10: v3(-299,5674) LED1.2@-299,5727.69
NetLED2_2: LED2.2 R5.2 | length 116.1
  Top Layer w10: v3(-16.1,5526.1) -16.1,5471.1 R5.2@-15,5470
  Bottom Layer w10: v3(-16.1,5526.1) LED2.2@-16.1,5585.64
NetLED3_2: LED3.2 R7.2 | length 108.8
  Top Layer w10: R7.2@267,5618.93 v3(267,5684)
  Bottom Layer w10: v3(267,5684) LED3.2@267,5727.69
NetLED4_2: LED4.2 R31.2 | length 108.8
  Top Layer w10: v1(-2,1236) R31.2@-2,1250.07
  Bottom Layer w10: LED4.2@-33.51,1317.69 -33.51,1267.51 v1(-2,1236)
NetLED_PW_2: LED_PW.2 R51.2 | length 186.7
  Top Layer w10: v1@-58,5143 R51.2@-15,5143
  Bottom Layer w10: LED_PW.2@-59.31,4998 v1(-59.31,5141.69)
NetP9_28: P9.28 R3.2 | length 2509.2
  Top Layer w10: R3.2@-1090.17,1785.94 -1086.06,1785.94 -1035.11,1735 -838,1735 -755,1818 -755,2137 -695,2197 291,2197 529,2435 774.56,2435 825.49,2485.93 P9.28@900.03,2485.93
NetQ1_1: Q1.1 R6.1 | length 69.4
  Top Layer w19.68: R6.1@1181.6,2002.33 Q1.1@1181.6,2071.69
NetQ1_3: Q1.3 SP1.2 | length 266.3
  Top Layer w19.68: Q1.3@1219.39,2158.7 SP1.2@1219.39,2425
NetR12_2: R12.2 R16.1 U2.3 | length 529
  Top Layer w10: R16.1@-661.1,3325.94 -626.1,3325.94 ; R12.2@-593.87,3325.94 -626.1,3325.94 ; U2.3@-361.57,3455.94 -431.1,3455.94 -476.1,3410.94 -476.1,3285.94 -496.1,3265.94 -601.1,3265.94 -626.1,3290.94 -626.1,3325.94
NetR17_1: R17.1 U2.5 | length 222.3
  Top Layer w10: U2.5@-361.57,3416.57 -410.47,3416.57 -425,3402.04 -425,3381 -414,3370 -350.15,3370 -341.1,3360.94 R17.1@-341.1,3321.3
NetR30_2: R30.2 U4.17 | length 112.8
  Top Layer w10: U4.17@118.64,1063.26 162.59,1063.26 192.9,1032.94 R30.2@218.9,1032.94
PCB_ANT: ANT1.1 C39.2 L7.1 | length 556.1
  Top Layer w40: ANT1.1@-502.1,377.94 L7.1@-502.1,605.94 -502.1,632.94 cw(c-402.1,632.94) -402.1,732.94 C39.2@-258.1,732.94
  other v2: -502.1,137.94 -422.1,137.94 -342.1,137.94 -262.1,137.94 -182.1,137.94 -102.1,137.94 -22.1,137.94 57.9,137.94 137.9,137.94 217.9,137.94 297.9,137.94 377.9,137.94 457.9,137.94 -422.1,387.94 -342.1,387.94 -262.1,387.94 -182.1,387.94 -102.1,387.94 -22.1,387.94 57.9,387.94 137.9,387.94 217.9,387.94 297.9,387.94 377.9,387.94 457.9,387.94
PWM1: J6A.1 R32.1 U5.18 | length 2052
  Top Layer w10: R32.1@-298,2620.93 -298,2651 -256,2693 U5.18@-256,2782.5 v1(-256,2850)
  Bottom Layer w10: J6A.1@-1343.67,3685.93 -1343.67,3713.33 -1318,3739 -1213,3739 -1111,3637 -847,3637 -785,3575 -785,3043 -655.5,2913.5 -394.96,2913.5 -352.46,2871 -277,2871 v1(-256,2850)
PWM2: J6D.1 R33.1 U5.17 | length 2690.6
  Top Layer w10: R33.1@-228.86,2620.93 -228.86,2656.14 -206,2679 U5.17@-206,2782.5 -206,2845 v1(-197,2854) ; v1(444,2005) 444,1936 460,1920 460,1302.54 566,1196.54 v1(566,1184)
  Bottom Layer w10: v1(-197,2854) -188,2845 -30.54,2845 177,2637.46 v1(177,2332) 177,2311.54 444,2044.54 v1(444,2005) ; v1@173,2332 v1@173,2333 ; v1(566,1184) 636,1184 640,1180 640.53,1180 645.53,1175 801.46,1175 879.76,1096.7 J6D.1@879.76,1081.6
PWM3: J6B.1 R34.1 U5.16 | length 2253.7
  Top Layer w10: R34.1@-159.71,2620.93 -156,2624.64 U5.16@-156,2782.5 -156,2842 -127,2871 398.46,2871 562.46,3035 735,3035 835,3135 1047,3135 1082,3170 v1(1082,3440)
  Bottom Layer w10: v1(1082,3440) 1082,3651 1116.93,3685.93 J6B.1@1243.73,3685.93
PWM4: J6C.1 R35.1 U5.15 | length 2585.4
  Top Layer w10: v1(-640,1965) -640,1987 -624,2003 -624,2144 v1(-630,2144) ; U5.15@-106,2782.5 v1(-106,2678) -90.57,2662.57 R35.1@-90.57,2620.93
  Bottom Layer w10: J6C.1@-879.69,981.6 -913,981.6 -938,1006.6 -938,1119 -882,1175 -700.46,1175 -661,1214.46 -661,1944 v1(-640,1965) ; v1(-630,2144) -629,2145 -629,2176 -624,2181 -624,2399.46 -520.46,2503 -148.46,2503 -106,2545.46 v1(-106,2678)
PWM5: J6B.2 R36.1 U5.14 | length 2279.9
  Top Layer w10: R36.1@-21.43,2620.93 -21.43,2650.43 -56,2685 U5.14@-56,2782.5 -56,2840 -43,2853 405.91,2853 487.91,2935 726,2935 826,3035 1040,3035 1103,3098 1103,3406 v1(1108,3411)
  Bottom Layer w10: v1(1108,3411) 1108,3609 1134,3635 1292.8,3635 J6B.2@1343.73,3685.93
PWM6: J6A.2 R37.1 U5.13 | length 2146.2
  Top Layer w10: U5.13@-6,2782.5 v1(-6,2704) -6,2689 47.71,2635.29 R37.1@47.71,2620.93
  Bottom Layer w10: J6A.2@-1233.93,3685.93 -1185.93,3685.93 -1038,3538 -837,3538 -803,3504 -803,3035.54 -662.96,2895.5 -402.41,2895.5 -359.91,2853 -291.53,2853 -265.53,2827 -38,2827 -6,2795 v1(-6,2704)
PWM7: J6C.2 R38.1 U5.12 | length 2535.6
  Top Layer w10: v1(-606,1977) v1(-606,2160) ; v1(44,2705) 44,2716 ; U5.12@44,2782.5 44,2716 ; R38.1@116.86,2620.93 116.86,2663.14 64,2716 44,2716
  Bottom Layer w10: J6C.2@-879.69,1081.6 -879.69,1136.31 -859,1157 -693,1157 -643,1207 -643,1925 -606,1962 v1(-606,1977) ; v1(-606,2160) -606,2392 -513,2485 -141,2485 44,2670 v1(44,2705)
PWM8: J6D.2 R39.1 U5.11 | length 2295.1
  Top Layer w10: U5.11@94,2782.5 94,2719 125,2688 164,2688 186,2666 R39.1@186,2620.93 221.07,2620.93 241,2601 241,2486 205,2450 v1(205,2333) ; v1(468,1975) 478,1965 478,1310 v1(631,1157)
  Bottom Layer w10: v1(205,2333) 205,2309 468,2046 v1(468,1975) ; v1(631,1157) 794,1157 830,1121 830,1031.35 J6D.2@879.76,981.6
RC_IN: J4.4 P8.15 R14.2 R19.1 U3.8 | length 3187.2
  Top Layer w10: v1@-709,2098 -709,1812 -687,1790 -610.94,1790 ; R19.1@-610.94,1753.9 -610.94,1790 ; R14.2@-610.94,1836.98 -610.94,1790 ; v1(62,1610) 96,1610 122,1636 237.09,1636 ; U3.8@181.1,1551.96 230.96,1551.96 237.09,1558.09 237.09,1636 ; -610.94,1790 -575,1790 -528,1837 -470,1837 -400,1767 134,1767 237.09,1663.91 237.09,1636
  Bottom Layer w10: P8.15@-899.97,3085.93 -825,3010.96 -825,2194 -734,2103 v1(-704,2103) ; J4.4@-245.1,1530.94 -94.06,1530.94 -15,1610 v1(62,1610)
RC_OUT1: P8.28 R32.2 U5.2 | length 1002.8
  Top Layer w10: P8.28@-999.97,2485.93 -950.9,2535 -878,2535 -684,2341 -320,2341 -306,2355 U5.2@-306,2413.5 -306,2482 -298,2490 R32.2@-298,2554
RC_OUT2: P8.27 R33.2 U5.3 | length 933.8
  Top Layer w10: P8.27@-899.97,2485.93 -854.38,2485.93 -691.46,2323 -290,2323 -256,2357 U5.3@-256,2413.5 -256,2485 -228.86,2512.14 R33.2@-228.86,2554
RC_OUT3: P8.30 R34.2 U5.4 | length 1113.7
  Top Layer w10: P8.30@-999.97,2385.93 -949.9,2436 -829.91,2436 -698.91,2305 -246,2305 -206,2345 U5.4@-206,2413.5 -206,2477 -159.71,2523.29 R34.2@-159.71,2554
RC_OUT4: P8.29 R35.2 U5.5 | length 1065.6
  Top Layer w10: P8.29@-899.97,2385.93 -805.3,2385.93 -706.37,2287 -179,2287 -156,2310 U5.5@-156,2413.5 -156,2463 -90.57,2528.43 R35.2@-90.57,2554
RC_OUT5: P8.40 R36.2 U5.6 | length 1613.7
  Top Layer w10: v1(-71,2312) -106,2347 U5.6@-106,2413.5 -106,2478 -74,2510 -45,2510 -21.43,2533.57 R36.2@-21.43,2554
  Bottom Layer w10: P8.40@-999.97,1885.93 -950.9,1935 -784.37,1935 -661.68,2057.68 -59.32,2057.68 -18,2099 -18,2250 -71,2303 v1(-71,2312)
RC_OUT6: P8.39 R37.2 U5.7 | length 1538.6
  Top Layer w10: v1(-37.33,2312) -37.33,2337.33 -56,2356 U5.7@-56,2413.5 -56,2467 -13,2510 26,2510 47.71,2531.71 R37.2@47.71,2554
  Bottom Layer w10: P8.39@-899.97,1885.93 -807.98,1885.93 -654.23,2039.68 -51.86,2039.68 0,2091.54 0,2257.46 -37.33,2294.79 v1(-37.33,2312) ; v1@-40,2312 v1@-40,2314
RC_OUT7: P8.42 R38.2 U5.8 | length 1709.3
  Top Layer w10: v1@-6,2314.33 U5.8@-6,2413.5 -6,2476 10,2492 33.46,2492 54.46,2513 100,2513 116.86,2529.86 R38.2@116.86,2554
  Bottom Layer w10: P8.42@-999.97,1785.93 -950.9,1835 -833.46,1835 -646.77,2021.68 -44.4,2021.68 18,2084.09 18,2264.91 -3.67,2286.58 v1(-3.67,2312)
RC_OUT8: P8.41 R39.2 U5.9 | length 1652.1
  Top Layer w10: v1(30,2312) 44,2326 U5.9@44,2413.5 44,2476.54 61.46,2494 149,2494 186,2531 R39.2@186,2554
  Bottom Layer w10: P8.41@-899.97,1785.93 -857.07,1785.93 -639.32,2003.68 -36.95,2003.68 36,2076.63 36,2306 v1(30,2312)
RF_ANT: C26.1 C28.2 C39.1 L5.1 | length 92.6
  Top Layer w16: C39.1@-211.1,732.94 cw(c-210.1,732.94) -210.1,733.94 L5.1@-119.1,733.94
RST: C20.1 J4.3 R28.2 U3.16 | length 291.4
  Top Layer w10: J4.3@-245.1,1430.94 -206.06,1430.94 -179,1458 -142.54,1458 ; C20.1@-142.54,1419.13 -142.54,1458 ; R28.2@-142.54,1487.98 -142.54,1458 ; U3.16@-40.9,1475.19 -101.81,1475.19 -119,1458 -142.54,1458
SCLK: U3.7 U4.1 | length 450.3
  Top Layer w10: U4.1@79.27,1161.68 79.27,1372.2 79,1372.47 79,1391.53 79.27,1391.8 79.27,1498.27 107.37,1526.37 U3.7@181.1,1526.37
SI: U3.15 U4.20 | length 497.6
  Top Layer w10: U3.15@-40.9,1500.78 11.22,1500.78 v1(14,1498) ; v1(102,1382) 98.9,1378.9 98.9,1142.05 U4.20@118.64,1122.31
  Bottom Layer w10: v1(14,1498) 48,1498 60,1486 60,1424 v1(102,1382)
SO: U3.14 U4.2 | length 499.1
  Top Layer w10: U3.14@-40.9,1526.37 v1(15,1526.37) v1@16.37,1526.37 ; U4.2@59.59,1161.68 59.59,1534.59 v1(67,1542)
  Bottom Layer w10: v1(15,1526.37) 51.37,1526.37 v1(67,1542)
SPI1_CS1: J5.9 P9.42 | length 1123.8
  Bottom Layer w11.81: J5.9@559,2286 498,2225 498,1664 527,1635 686.03,1635 836.96,1785.93 P9.42@900.03,1785.93
SPI1_MISO: J5.7 P9.29 | length 754.7
  Bottom Layer w11.81: J5.7@559,2086 760,2086 793.38,2119.38 793.38,2373.38 855,2435 950.96,2435 P9.29@1000.03,2385.93